# Altium PCB iot_switch.PcbDoc (continued)
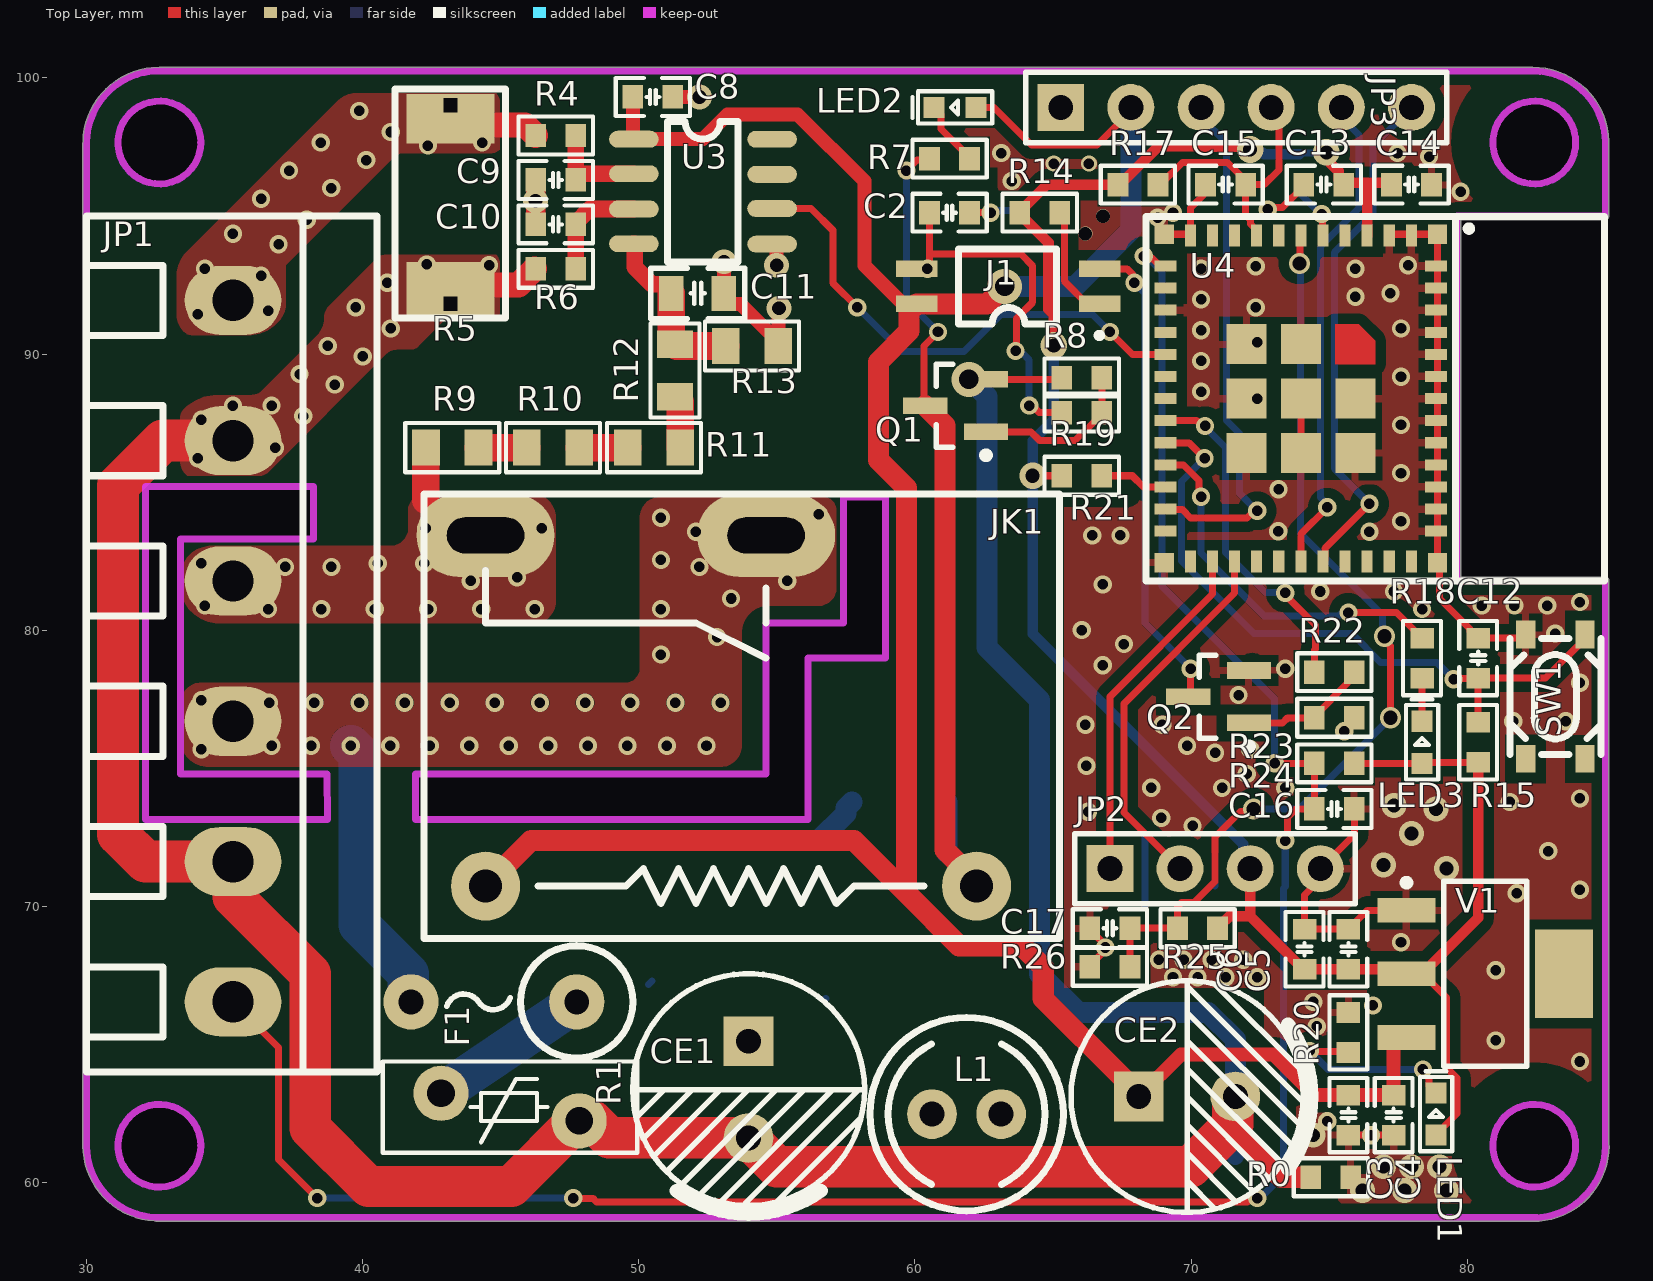
[diagram p0: Top Layer view]
## Nets (pads, with @x,y where several pads share a name; then routed paths per layer and width w, separated by ;. In a path a pad name is that pad's centre, name@x,y a point inside that pad or via, vN(x,y) a via of type N, cw(c..) or ccw(c..) an arc to the next point about the centre after c; other vN are vias at no path point)
5V: C3.2 C4.2 C8.2 CE2.1 D2.1 D4.2 J1.4 JK1.1 JP3.2 L1.2 LED2.1 R3.2 U3.1 V1.3 | length 114.8
  Top Layer w0.254: U3.1@49.784,97.825 U3.1 ; LED2.1 62.865,98.933 64.223,97.575 66.587,97.575 JP3.2@67.818,98.806 ; V1.3@77.33,64.941 77.653,65.264 V1.3
  Top Layer w0.508: U3.1@49.784,97.825 C8.2 ; U3.1 52.319,97.785 53.213,98.679 55.753,98.679 58.166,96.266 58.166,93.218 J1.4@59.563,91.821 ; CE2.1 69.624,64.643 72.985,64.643 74.456,63.172 C3.2 C4.2 V1.3@77.33,64.941
  Top Layer w0.762: JK1.1 46.101,72.39 57.746,72.39 ; 57.785,72.39 59.69,70.485 ; v8(63.246,92.456) 62.611,91.821 J1.4 59.789,91.546 59.789,90.839 58.674,89.724 58.674,86.168 59.69,85.152 59.69,70.485 ; CE2.1 67.581,63.638 67.581,63.737 64.643,66.675 64.643,67.818 63.881,68.58 61.595,68.58 59.69,70.485
  Bottom Layer w0.762: JK1.1 46.101,72.39 56.515,72.39 57.498,73.373 57.498,73.564 D4.2 ; v8(63.246,92.456) 65.786,92.456 67.818,94.488 JP3.2@67.818,98.806
ADC: C17.1 R25.1 R26.2 U4.6 | length 34.2
  Top Layer w0.254: R26.2 C17.1 R25.1 69.506,69.994 69.655,70.143 70.106,70.143 70.866,70.903 70.866,72.517 71.788,73.439 72.169,73.439 v3(72.263,73.533) ; v3(73.914,93.288) 73.943,93.316 73.943,94.263 U4.6 ; v3(76.993,79.787) 76.993,79.649 77.216,79.426 v3(77.216,76.835)
  Bottom Layer w0.254: v3(72.263,73.533) 73.914,73.533 v3(77.216,76.835) ; v3(73.914,93.288) 73.958,93.244 73.958,83.51 74.917,82.55 74.93,82.55 76.931,80.549 76.931,79.848 v3(76.993,79.787)
EN: C15.2 JP3.4 R17.1 U4.8 | length 9.3
  Top Layer w0.254: R17.1@68.924,96.139 68.924,96.189 69.68,96.945 71.309,96.945 C15.2@71.808,96.446 ; C15.2 72.644,96.139 73.176,96.671 73.176,98.264 72.898,98.542 JP3.4 ; C15.2@71.972,96.189 71.972,95.034 72.152,94.854 72.152,94.711 72.371,94.492 U4.8
HLWTX: U3.6 U4.16 | length 18.7
  Top Layer w0.254: U3.6 56.238,95.273 57.023,94.488 57.023,92.583 v1(57.912,91.694) ; v1(67.056,90.805) 67.869,89.992 U4.16
  Bottom Layer w0.254: v1(57.912,91.694) 59.512,90.094 61.773,90.094 63.119,91.44 66.421,91.44 v1(67.056,90.805)
IO9: JP3.3 U4.23 | length 19
  Top Layer w0.254: U4.23 69.093,84.37 69.681,84.37 69.977,84.074 72.026,84.074 72.28,84.328 v1(72.39,84.328)
  Bottom Layer w0.254: JP3.3 70.358,98.569 71.272,97.655 71.272,87.605 71.755,87.122 71.755,84.963 v1(72.39,84.328)
KEY: C12.2 R15.1 SW1.3 U4.20 | length 24.5
  Top Layer w0.254: U4.20 69.926,86.792 v1(70.485,86.233) ; v1(79.502,78.232) 79.521,78.251 C12.2@80.299,78.251 ; R15.1 80.391,78.158 C12.2@80.299,78.251 ; SW1.3 84.259,79.698 82.831,78.269 C12.2 80.373,78.251 C12.2@80.299,78.251
  Bottom Layer w0.254: v1(70.485,86.233) 69.647,85.395 69.647,82.508 72.271,79.883 75.819,79.883 76.86,78.842 78.892,78.842 v1(79.502,78.232)
L_IN: F1.2 JK1.3 JP1.4 | length 11.2
  Bottom Layer w0.254: JK1.3@53.61,83.439 JK1.3
  Bottom Layer w1.5: v1(39.566,75.819) 39.878,75.507 39.878,69.342 41.656,67.564 41.656,66.644 F1.2
  other v1: 34.163,75.692 36.703,75.819 38.135,75.819 40.998,75.819 42.43,75.819 43.861,75.819 45.293,75.819 46.724,75.819 48.156,75.819 49.588,75.819 51.019,75.819 52.451,75.819 36.615,77.381 34.163,77.47 50.8,79.121 52.832,79.756 50.8,80.772 53.34,81.153 55.372,81.788 52.197,82.296 50.8,82.55 52.07,83.566 50.8,84.074 56.515,84.201
L_OUT: JK1.4 JP1.3 R9.2 | length 4.6
  Top Layer w0.254: JP1.3 JP1.3@35.687,81.788 ; 42.164,84.582 42.291,84.709 ; R9.2@42.291,86.609 R9.2 ; JK1.4@43.317,83.439 JK1.4
  Top Layer w1: 42.291,84.709 R9.2@42.291,86.609
  Bottom Layer w0.254: JK1.4@43.45,83.439 JK1.4
  other v1: 36.576,80.772 38.506,80.772 40.437,80.772 42.367,80.772 44.298,80.772 46.228,80.772 34.29,80.899 43.912,81.788 45.593,81.915 37.19,82.296 38.87,82.296 34.163,82.423 40.551,82.423 42.232,82.423 42.291,83.693 46.482,83.693
LED: R18.2 U4.21 | length 13.5
  Top Layer w0.254: U4.21 69.078,85.985 69.717,85.985 70.28,85.422 70.28,84.914 v1(70.358,84.836) ; v1(75.692,80.645) 77.433,80.645 R18.2
  Bottom Layer w0.254: v1(70.358,84.836) 70.358,82.804 72.644,80.518 75.34,80.518 75.389,80.567 75.614,80.567 v1(75.692,80.645)
N_IN: ?.1@43.18,91.821 C2.2 C3.1 C4.1 C5.1 C6.1 C8.1 C9.2 C10.1 C11.2 C12.1 C13.1 C14.1 C15.1 C16.1 C17.2 CE1.2 CE2.2 D3.1 JP1.2 JP1.5 JP2.4 JP3.1 Q1.2 Q2.2 R0.1 R0.2 R1.1 R3.1 R5.2 R6.2 R8.2 R13.2 R20.2 R23.2 R26.1 SW1.4 U3.5 U4.1 U4.2 U4.11 U4.14 U4.36 U4.37 U4.38 U4.39 U4.40 U4.41 U4.42 U4.43 U4.44 U4.45 U4.46 U4.47 U4.48 U4.49 U4.50 U4.51 U4.52 U4.53 V1.1 | length 170.2
  Top Layer w0.254: R6.2@45.967,92.793 46.017,92.793 46.265,93.041 R6.2 ; R1.1 R1.1@48.311,62.238 ; C11.2@53.086,92.202 C11.2 53.081,92.011 53.272,91.821 C11.2@53.399,91.694 ; CE1.2@53.893,61.677 53.921,61.677 CE1.2 CE1.2@53.947,61.623 ; U3.5@54.325,93.985 U3.5 U3.5@54.991,93.985 ; R13.2 R13.2@55.052,90.447 ; v8(61.949,89.088) Q1.2 ; C2.2@61.976,95.173 C2.2 v1(62.738,95.123) ; Q1.2@62.284,88.788 62.284,88.804 Q1.2 ; R8.2 65.249,89.088 Q1.2 ; R26.1 66.331,67.868 66.89,68.427 v1(66.89,68.516) 66.89,68.606 66.331,69.165 C17.2 ; U4.52 U4.11@69.921,94.342 ; U4.14 ccw(c69.131,91.652) U4.14@69.131,91.567 ; U4.11 U4.11@69.977,94.286 ; U4.11@69.977,94.234 U4.11@69.977,94.286 ; C15.1@70.776,96.089 69.977,95.29 U4.11@69.977,94.286 ; 71.499,61.952 71.499,62.101 ; CE2.2@71.499,62.874 cw(c71.845,62.874) CE2.2 ; Q2.2 Q2.2@72.212,78.666 ; v1(72.771,95.241) 72.849,95.319 73.308,95.319 74.078,96.089 C13.1 ; U4.49@73.971,86.417 U4.49@73.971,88.392 ; v1(75.542,76.347) 75.542,76.418 75.909,76.785 R23.2 ; C3.1 v1(76.511,61.722) C4.1 ; C16.1 75.909,72.607 JP2.4 74.676,70.983 74.105,70.411 C6.1 C5.1 75.742,69.178 75.99,69.426 75.99,69.476 76.378,69.864 V1.1 ; U4.2 77.221,94.342 U4.53 U4.50 78.988,82.376 78.988,81.159 80.093,80.054 80.093,79.967 80.341,79.719 C12.1 81.982,79.719 SW1.4
  Top Layer w0.508: C8.1 v2(52.197,99.314) ; C11.2@53.086,91.821 53.272,91.821 53.678,91.821 55.052,90.447 v2@55.052,91.628 ; C11.2@53.086,92.202 v2(53.086,93.345) ; v2(54.991,93.218) U3.5@54.991,93.985
  Top Layer w0.7: C10.1 C9.2
  Top Layer w0.762: 71.499,61.952 73.252,60.198 R0.1@74.295,60.198
  Top Layer w0.9: R5.2 45.641,92.504 R6.2@46.228,93.091
  Top Layer w1.5: JP1.5@35.306,70.612 35.306,70.358 38.1,67.564 38.1,61.976 40.213,59.863 45.385,59.863 R1.1@47.76,62.238 ; R1.1@48.311,62.238 48.926,61.623 CE1.2@53.947,61.623 ; CE1.2@53.893,61.677 CE1.2@53.947,61.623 ; CE2.2@71.499,62.874 71.499,62.101 69.977,60.579 54.991,60.579 CE1.2@53.947,61.623
  Top Layer w1.524: JP1.5 32.131,71.628 31.143,72.616 31.143,85.245 32.766,86.868 JP1.2
  Bottom Layer w0.254: CE1.2 CE1.2@54.287,61.623 ; v8(61.949,89.088) v8@61.984,89.088 ; v1(62.738,95.123) 62.814,95.199 63.449,95.199 63.5,95.25 ; 68.326,69.977 68.326,72.644 ; 70.866,70.739 70.866,71.882 ; R3.1 R3.1@71.595,60.965 ; CE2.2@71.595,63.114 CE2.2
  Bottom Layer w0.635: R3.1@71.595,60.965 CE2.2@71.595,63.114
  Bottom Layer w0.762: v8@61.984,89.088 62.611,88.461 62.611,79.375 64.516,77.47 64.516,67.564 65.913,66.167 70.612,66.167 71.6,65.179 CE2.2
  other v1: 74.93,62.23 84.074,64.389 81.026,65.151 74.549,65.659 76.581,66.421 74.422,66.548 69.342,67.437 70.231,67.437 71.247,67.437 72.39,67.437 81.026,67.691 68.834,68.072 69.723,68.072 70.739,68.072 71.882,68.072 77.597,68.707 81.788,70.485 84.074,70.612 82.931,72.009 70.05,72.92 68.912,73.208 66.268,73.431 81.534,73.787 84.074,73.914 68.553,74.297 71.12,74.295 73.406,74.295 72.009,74.803 66.206,75.1 70.866,75.565 72.136,75.692 69.85,75.819 66.17,76.584 68.961,76.581 81.661,76.708 83.566,76.708 71.714,77.659 84.074,78.105 73.406,78.613 66.802,78.74 67.564,79.502 83.185,79.883 66.04,80.01 78.359,80.772 80.518,80.899 81.703,80.899 82.889,80.899 84.074,81.026 74.676,81.407 77.343,81.407 66.802,81.661 66.421,83.439 67.437,83.439 76.454,83.566 73.149,83.589 77.597,83.947 73.164,85.113 77.597,85.693 34.036,86.233 36.83,86.614 77.597,87.439 34.163,87.63 37.846,87.757 35.306,88.138 36.703,88.138 72.39,88.392 70.358,88.646 38.989,88.9 77.597,89.186 37.719,89.281 70.358,89.757 40.005,89.916 38.735,90.297 72.39,90.424 70.358,90.868 41.021,90.932 77.597,90.932 39.751,91.694 72.339,91.694 70.358,91.98 75.946,92.075 77.216,92.202 40.894,92.583 70.358,93.091 75.946,93.091 72.339,93.181 44.577,93.218 77.851,93.218 42.321,93.248 68.783,94.945 69.342,95.123 79.756,95.885 63.5,96.266 78.613,97.155 63.119,97.282 77.47,97.282
  other v2: 76.2,59.713 77.724,59.713 79.248,59.713 76.962,60.579 77.978,60.579 78.994,60.579 74.422,61.722 79.248,71.374 76.962,71.501 77.978,72.644 78.867,73.533 77.343,73.66 55.071,91.664 46.259,95.556
  other v6: 66.167,94.361 66.802,94.996
  other v7: 65.024,96.901 66.294,96.901
N_OUT: ?.1@43.181,99.018 JP1.1 R4.2 R5.1 | length 3.6
  Top Layer w0.254: R5.1 R5.1@43.336,98.298
  Top Layer w0.9: R5.1@43.336,98.298 45.884,98.298 R4.2
  Bottom Layer w0.254: JP1.1 JP1.1@35.56,91.948
  other v1: 34.036,91.44 36.576,91.567 36.322,92.837 34.29,93.091 36.957,93.98 35.306,94.361 37.973,94.869 36.322,95.631 38.862,96.012 37.338,96.647 40.132,97.028 42.364,97.554 38.481,97.663 44.323,97.663 41.021,98.044 39.878,98.806
NetC1_1: C1.1 D3.2 L1.1 R2.1 U1.1 U1.2
NetC1_2: C1.2 D2.2 U1.3 | length 0.2
  Bottom Layer w0.254: C1.2@56.708,60.261 C1.2
NetC2_1: C2.1 J1.3 R21.1 | length 13.3
  Top Layer w0.254: J1.3 60.353,93.091 60.526,93.264 60.526,93.622 ; C2.1 60.526,93.622 ; v1(63.641,90.116) 63.673,90.148 63.673,91.291 64.262,91.881 64.262,93.196 63.836,93.622 60.526,93.622 ; v1(64.135,88.138) 64.245,88.138 64.499,87.884 R21.1
  Bottom Layer w0.254: v1@60.452,92.981 v1(60.452,93.091) ; v1(63.641,90.116) 63.718,90.038 63.886,90.038 64.135,89.789 v1@64.135,88.155
NetC9_1: C9.1 R4.1 U3.2 | length 3.8
  Top Layer w0.254: C9.1 C9.1@47.942,96.535
  Top Layer w0.6: C9.1 R4.1 ; C9.1@47.942,96.535 U3.2
NetC10_2: C10.2 R6.1 U3.3 | length 4
  Top Layer w0.254: C10.2 C10.2@47.715,94.75
  Top Layer w0.6: R6.1 C10.2 ; C10.2@47.715,94.75 48.22,95.255 U3.3
NetC11_1: C11.1 R12.1 R13.1 U3.4 | length 6.9
  Top Layer w0.254: U3.4@49.784,93.958 U3.4 ; C11.1@50.863,92.71 51.181,92.392 C11.1
  Top Layer w0.6: U3.4@49.784,93.993 49.858,93.993 49.858,93.144 50.465,92.537 51.036,92.537 51.181,92.392 C11.1
  Top Layer w1: R12.1@51.181,90.485 C11.1 ; R12.1@51.369,90.297 R13.1
NetCE1_1: CE1.1 D1.2 U1.4 | length 0.2
  Bottom Layer w0.254: CE1.1 CE1.1@54.102,65.25 ; U1.4@56.753,66.675 U1.4@56.78,66.675
NetD1_1: D1.1 F1.1 R1.2 | length 6.5
  Bottom Layer w0.254: F1.1 F1.1@48.181,66.548 ; D1.1@50.355,67.183 D1.1
  Bottom Layer w1.5: R1.2 F1.1
NetD4_1: D4.1 JK1.2 Q1.3 R7.2 | length 31.9
  Top Layer w0.254: v1(59.69,96.647) 60.071,97.028 60.475,97.028 R7.2 ; Q1.3 60.325,88.181 60.325,90.297 v1(60.833,90.805)
  Top Layer w0.762: Q1.3 61.087,87.419 61.087,72.054 62.23,70.911 JK1.2
  Bottom Layer w0.254: v1(59.69,96.647) 59.69,91.948 v1(60.833,90.805) ; JK1.2 JK1.2@62.23,70.887
  Bottom Layer w0.762: D4.1 61.151,71.966 JK1.2@62.23,70.887
NetJ1_1: J1.1 R14.2 | length 4.2
  Top Layer w0.254: R14.2 65.405,94.959 65.405,92.648 66.232,91.821 J1.1
NetJ1_2: J1.2 Q2.3 | length 17.5
  Top Layer w0.254: J1.2 67.68,93.091 67.867,92.903 67.867,92.661 v1(67.945,92.583) ; Q2.3 69.977,77.681 v1(69.977,78.613)
  Bottom Layer w0.254: v1(67.945,92.583) 68.326,92.202 68.326,80.264 v1(69.977,78.613)
NetLED1_2: LED1.2 R20.1 | length 7
  Top Layer w0.254: v1(74.295,64.77) 74.321,64.744 75.666,64.744 R20.1 ; v1(78.391,64.103) 78.391,63.993 78.613,63.771 78.613,63.5 LED1.2 LED1.2@78.994,63.373
  Bottom Layer w0.254: v1(74.295,64.77) 74.962,64.103 v1(78.391,64.103)
NetLED2_2: LED2.2 R7.1 | length 2.4
  Top Layer w0.254: LED2.2 60.946,98.679 60.946,98.159 61.976,97.129 R7.1
NetLED3_2: LED3.2 R18.1 | length 1.6
  Top Layer w0.254: LED3.2 R18.1
NetQ1_1: Q1.1 R8.1 R21.2 | length 6
  Top Layer w0.254: Q1.1 64.196,87.188 64.516,86.868 65.799,86.868 66.765,87.834 R21.2 R8.1
NetQ2_1: Q2.1 R22.2 R23.1 | length 4.6
  Top Layer w0.254: Q2.1 73.308,76.647 73.496,76.835 R23.1 74.459,76.885 75.661,78.087 75.661,78.188 R22.2@75.909,78.436
NetR2_2: R2.2 U1.6
NetR9_1: R9.1 R10.2 | length 1.7
  Top Layer w1: R9.1 R10.2
NetR10_1: R10.1 R11.2 | length 1.7
  Top Layer w1: R10.1 R11.2
NetR11_1: R11.1 R12.2 | length 1.9
  Top Layer w0.254: R12.2 R12.2@51.496,88.27
  Top Layer w1: R11.1 R12.2@51.496,88.27
NetR16_2: R16.2 U4.5 | length 1.9
  Top Layer w0.254: v1(74.727,95.071) 74.749,95.049 74.749,94.314 U4.5
  Bottom Layer w0.254: R16.2 73.964,95.795 74.688,95.071 v1(74.727,95.071)
NetR19_2: R19.2 U4.22 | length 2.4
  Top Layer w0.254: R19.2@66.802,85.598 67.866,85.598 68.272,85.192 U4.22
OLED_SCL: JP2.2 U4.27 | length 13.6
  Top Layer w0.254: JP2.2 67.564,73.406 67.564,77.343 71.571,81.35 U4.27
OLED_SDA: JP2.1 U4.26 | length 12.7
  Top Layer w0.254: JP2.1 67.056,77.597 70.771,81.312 U4.26
RELAY: R22.1 U4.19 | length 12.5
  Top Layer w0.254: U4.19 70.201,87.592 70.393,87.4 v1(70.503,87.4) ; v1(73.406,81.356) 73.406,81.28 74.498,80.188 74.498,79.333 74.459,79.293 R22.1
  Bottom Layer w0.254: v1(70.503,87.4) 70.503,87.358 71.247,86.614 71.247,82.813 72.695,81.365 73.397,81.365 v1(73.406,81.356)
RXD1: JP3.5 U4.30 | length 17.8
  Top Layer w0.254: U4.30 73.971,83.496 v1(74.93,84.455)
  Bottom Layer w0.254: v1(74.93,84.455) 74.93,84.553 74.676,84.807 74.676,93.899 76.073,95.296 76.073,97.934 75.438,98.569 JP3.5
S1: C16.2 JP1.6 R24.2 U4.12 | length 82.3
  Top Layer w0.254: JP1.6 36.957,64.897 36.957,60.84 v5(38.354,59.443) ; v5(47.625,59.443) 47.632,59.436 48.336,59.436 48.463,59.309 72.038,59.309 72.094,59.365 72.312,59.365 v1(72.39,59.443) ; v1(68.286,93.553) 68.363,93.475 68.588,93.475 68.871,93.192 U4.12 ; v1(73.025,75.184) R24.2 C16.2 73.787,73.533 73.484,73.23 73.484,72.468 v1(73.406,72.39)
  Bottom Layer w0.254: v5(38.354,59.443) v5(47.625,59.443) ; v1(68.286,93.553) 68.372,93.553 68.936,92.989 68.936,81.602 73.025,77.512 v1(73.025,75.184) ; v1(72.39,59.443) 72.5,59.443 73.337,60.28 73.337,70.654 73.406,70.723 v1(73.406,72.39)
TXD1: JP3.6 U4.31 | length 18.8
  Top Layer w0.254: U4.31 74.844,82.565 74.844,82.972 v1(76.454,84.582)
  Bottom Layer w0.254: v1(76.454,84.582) 75.184,85.852 75.184,93.688 76.581,95.085 76.581,97.536 77.851,98.806 JP3.6@77.978,98.806
VDD3V3: C5.2 C6.2 C13.2 C14.2 JP2.3 LED1.1 LED3.1 R14.1 R15.2 R16.1 R17.2 R19.1 R24.1 R25.2 U4.3 V1.2 V1.4 | length 75.8
  Top Layer w0.254: v4(64.262,85.598) R19.1 ; R17.2 R17.2@67.347,96.189 ; R25.2 70.956,69.265 71.204,69.513 R25.2@71.254,69.513 ; C6.2@74.055,67.728 C6.2 ; C13.2@75.502,96.215 75.528,96.189 C13.2 ; R24.1 LED3.1 78.396,75.221 R15.2 ; 76.327,96.215 76.371,96.17 ; V1.2@77.631,67.728 V1.2 78.359,67.564 78.395,67.564 79.248,66.711 79.248,64.157 79.397,64.008 79.406,64.008 79.629,63.785 79.629,62.506 79.121,61.998 79.121,61.976 LED1.1@78.994,61.849
  Top Layer w0.381: R14.1@63.754,95.123 63.754,95.11 64.834,94.031 64.834,91.624 65.024,91.433 v4(65.024,90.316) ; R14.1@63.881,95.25 64.77,96.139 R17.2 R17.2@67.474,96.139 ; R17.2@67.474,96.189 68.821,97.536 70.336,97.536 70.355,97.517 72.028,97.517 v4(72.136,97.409) ; R25.2@71.254,69.513 71.388,69.647 72.136,69.647 ; JP2.3 72.136,69.647 ; C6.2@74.055,67.728 72.136,69.647 ; C6.2 C5.2 V1.2@77.631,67.728 ; v4(74.893,97.307) 75.005,97.195 75.005,96.953 75.343,96.615 75.343,96.324 C13.2 ; C13.2@75.539,96.215 76.327,96.215 77.05,96.215 C14.2@77.126,96.139 ; U4.3 76.371,96.17 ; V1.2@78.359,67.564 80.391,69.596 R15.2
  Bottom Layer w0.254: R16.1 73.945,97.276 74.862,97.276 v4(74.893,97.307)
  Bottom Layer w0.381: v4(65.024,90.316) 65.024,87.63 64.262,86.868 v4(64.262,85.598) 64.262,79.883 71.884,72.261 71.884,71.626 JP2.3 ; v4(72.136,97.409) 72.248,97.297 72.592,97.297 72.644,97.245 R16.1
pads on no net: SW1.1 SW1.2 U3.7 U3.8 U4.4 U4.7 U4.9 U4.10 U4.13 U4.15 U4.17 U4.18 U4.24 U4.25 U4.28 U4.29 U4.32 U4.33 U4.34 U4.35
copper on no net:
  other v1: 38.249,77.381 39.884,77.381 41.518,77.381 43.152,77.381 44.787,77.381 46.421,77.381 48.056,77.381 49.69,77.381 51.325,77.381 52.959,77.381

## Polygon pours and split planes (outlines as drawn)
NetCE1_1 on Bottom Layer "NETCE1_1_L02_P063" (solid, pour order 63): 52.959,67.31 cw(c53.594,67.31) 53.594,67.945 57.495,67.945 cw(c57.495,67.603) 57.837,67.603 57.837,66.092 cw(c57.531,66.092) 57.531,65.786 55.372,65.786 ccw(c55.372,65.405) 54.991,65.405 54.991,64.389 cw(c54.737,64.389) 54.737,64.135 53.213,64.135 cw(c53.213,64.389) 52.959,64.389
NetD1_1 on Bottom Layer "NETD1_1_L02_P059" (solid, pour order 59): 51.181,67.945 48.652,67.945 ccw(c48.652,65.737) 47.091,67.298 ccw(c47.335,67.054) 46.99,67.054 46.99,66.046 ccw(c47.344,66.046) 47.094,65.796 ccw(c47.731,66.433) 47.731,65.532 47.752,65.532 ccw(c47.752,66.548) 48.768,66.548 cw(c48.895,66.548) 48.895,66.675 51.181,66.675
N_IN on Bottom Layer "N_IN_L02_P043" (solid, remove dead copper, pour order 43): 58.293,100.203 58.293,96.774 62.992,96.774 62.992,90.805 67.437,90.805 67.437,84.455 65.405,84.455 65.405,67.056 72.644,67.056 72.644,58.674 82.931,58.674 ccw(c82.931,60.706) 84.963,60.706 84.963,81.788 79.629,81.788 79.629,94.996 84.963,94.996 84.963,98.171 84.836,98.171 ccw(c82.804,98.171) 82.804,100.203 82.677,100.203
L_IN on Bottom Layer "L_IN_L02_P055" (solid, pour order 55): 52.959,75.057 ccw(c52.959,75.819) 53.721,75.819 53.721,79.883 cw(c54.737,79.883) 54.737,80.899 56.515,80.899 ccw(c56.515,81.534) 57.15,81.534 57.15,84.328 ccw(c56.642,84.328) 56.642,84.836 50.8,84.836 ccw(c50.8,84.074) 50.038,84.074 50.038,78.613 cw(c49.53,78.613) 49.53,78.105 34.163,78.105 ccw(c34.163,77.343) 33.401,77.343 33.401,76.073 ccw(c34.417,76.073) 34.417,75.057
N_IN on Bottom Layer "N_IN_L02_P057" (solid, pour order 57): 36.269,85.598 ccw(c36.269,86.032) 36.576,85.725 40.841,89.99 cw(c41.275,89.557) 41.275,90.17 41.73,90.17 ccw(c41.73,90.604) 42.037,90.297 42.963,91.223 cw(c43.18,91.006) 43.18,91.313 44.651,91.313 ccw(c44.651,91.747) 44.958,91.44 44.958,93.292 ccw(c44.524,93.292) 44.831,93.599 40.82,93.599 ccw(c40.82,93.165) 40.513,93.472 38.788,91.747 ccw(c39.221,91.313) 38.608,91.313 38.608,91.291 cw(c37.741,91.291) 38.354,90.678 36.375,88.699 cw(c35.941,89.132) 35.941,88.519 34.754,88.519 ccw(c34.754,86.785) 33.528,88.011 ccw(c33.835,87.704) 33.401,87.704 33.401,86.106 ccw(c34.014,86.106) 33.581,85.672 33.655,85.598
N_OUT on Bottom Layer "N_OUT_L02_P050" (solid, pour order 50): 35.814,90.678 ccw(c35.814,92.211) 36.898,91.127 36.957,91.186 ccw(c36.344,91.799) 37.211,91.799 37.211,93.218 41.095,97.102 cw(c41.529,96.669) 41.529,97.282 44.651,97.282 ccw(c44.651,97.716) 44.958,97.409 44.958,99.134 ccw(c44.524,99.134) 44.831,99.441 39.729,99.441 ccw(c39.729,98.574) 39.116,99.187 33.633,93.704 ccw(c34.5,92.837) 33.274,92.837 33.274,91.418 ccw(c34.141,91.418) 33.528,90.805 ccw(c33.835,91.112) 33.835,90.678 34.417,90.678
L_OUT on Bottom Layer "L_OUT_L02_P048" (solid, pour order 48): 46.228,80.264 ccw(c46.228,81.026) 46.99,81.026 46.99,84.074 ccw(c46.101,84.074) 46.101,84.963 42.291,84.963 ccw(c42.291,84.328) 41.656,84.328 41.656,83.693 cw(c41.021,83.693) 41.021,83.058 34.544,83.058 ccw(c34.544,81.915) 33.401,81.915 33.401,81.661 ccw(c34.798,81.661) 34.798,80.264
N_IN on Bottom Layer "N_IN_L02_P045" (solid, pour order 45): 45.085,100.33 44.958,100.203 44.958,93.853 44.577,93.472 44.577,91.059 51.943,91.059 51.943,88.519 56.642,88.519 56.642,100.33
5V on Bottom Layer "5V_L02_P009" (solid, pour order 9): 68.707,60.452 cw(c68.707,60.833) 68.326,60.833 68.326,62.23 cw(c68.58,62.23) 68.58,62.484 69.088,62.484 69.088,61.683 ccw(c69.366,61.683) 69.366,61.406 70.496,61.406 cw(c70.496,61.349) 70.553,61.349 70.553,60.52 cw(c70.485,60.52) 70.485,60.452
5V on Bottom Layer "5V_L02_P007" (solid, pour order 7): 65.659,59.436 ccw(c65.659,59.563) 65.786,59.563 65.786,61.341 cw(c66.548,61.341) 66.548,62.103 68.834,62.103 ccw(c68.834,62.357) 69.088,62.357 69.088,63.881 ccw(c68.834,63.881) 68.834,64.135 67.31,64.135 ccw(c67.31,63.754) 66.929,63.754 cw(c66.548,63.754) 66.548,63.373 62.738,63.373 ccw(c62.738,62.865) 62.23,62.865 62.23,61.849 ccw(c62.611,61.849) 62.611,61.468 64.135,61.468 cw(c64.135,61.341) 64.262,61.341 64.262,59.436
NetR2_2 on Bottom Layer "NETR2_2_L02_P005" (solid, pour order 5): 59.436,68.453 ccw(c59.436,67.818) 58.801,67.818 58.801,66.167 ccw(c58.928,66.167) 58.928,66.04 59.47,66.04 ccw(c59.47,66.082) 59.512,66.082 59.512,67.386 cw(c59.69,67.386) 59.69,67.564 60.833,67.564 ccw(c60.833,67.691) 60.96,67.691 60.96,68.326 ccw(c60.833,68.326) 60.833,68.453
NetC1_1 on Bottom Layer "NETC1_1_L02_P000" (solid, pour order 0): 59.817,63.373 ccw(c59.817,63.5) 59.944,63.5 59.944,66.802 cw(c60.198,66.802) 60.198,67.056 62.738,67.056 cw(c62.738,66.675) 63.119,66.675 63.119,65.532 cw(c62.738,65.532) 62.738,65.151 ccw(c62.738,63.935) 61.522,63.935 61.522,62.496 cw(c60.621,62.496) 60.621,61.595 59.944,61.595 59.944,59.817 cw(c59.817,59.817) 59.817,59.69 58.039,59.69 cw(c58.039,59.817) 57.912,59.817 57.912,63.119 cw(c58.166,63.119) 58.166,63.373
NetC1_2 on Bottom Layer "NETC1_2_L02_P003" (solid, pour order 3): 56.388,63.373 ccw(c56.388,63.246) 56.261,63.246 56.261,59.309 ccw(c56.642,59.309) 56.642,58.928 61.849,58.928 ccw(c61.849,59.436) 62.357,59.436 62.357,60.452 ccw(c61.976,60.452) 61.976,60.833 61.087,60.833 ccw(c61.087,60.452) 60.706,60.452 60.706,59.69 cw(c60.452,59.69) 60.452,59.436 57.785,59.436 cw(c57.785,59.944) 57.277,59.944 57.277,62.865 ccw(c56.769,62.865) 56.769,63.373
NetC1_1 on Bottom Layer "NETC1_1_L02_P002" (solid, pour order 2): 59.944,61.468 cw(c60.071,61.468) 60.071,61.595 ccw(c60.071,61.722) 60.198,61.722 60.198,61.849 ccw(c59.944,61.849) 59.944,62.103 59.563,62.103 ccw(c59.563,61.976) 59.436,61.976 59.436,61.468
N_IN on Top Layer "N_IN_L01_P042" (solid, remove dead copper, pour order 42): 58.293,100.203 58.293,96.774 62.992,96.774 62.992,90.805 67.437,90.805 67.437,84.455 65.405,84.455 65.405,67.056 72.644,67.056 72.644,58.674 82.931,58.674 ccw(c82.931,60.706) 84.963,60.706 84.963,81.788 79.629,81.788 79.629,94.996 84.963,94.996 84.963,98.171 84.836,98.171 ccw(c82.804,98.171) 82.804,100.203 82.677,100.203
L_IN on Top Layer "L_IN_L01_P049" (solid, pour order 49): 52.959,75.057 ccw(c52.959,75.819) 53.721,75.819 53.721,79.883 cw(c54.737,79.883) 54.737,80.899 56.515,80.899 ccw(c56.515,81.534) 57.15,81.534 57.15,84.328 ccw(c56.642,84.328) 56.642,84.836 50.8,84.836 ccw(c50.8,84.074) 50.038,84.074 50.038,78.613 cw(c49.53,78.613) 49.53,78.105 34.163,78.105 ccw(c34.163,77.343) 33.401,77.343 33.401,76.073 ccw(c34.417,76.073) 34.417,75.057
L_OUT on Top Layer "L_OUT_L01_P056" (solid, pour order 56): 46.228,80.264 ccw(c46.228,81.026) 46.99,81.026 46.99,84.074 ccw(c46.101,84.074) 46.101,84.963 42.291,84.963 ccw(c42.291,84.328) 41.656,84.328 41.656,83.693 cw(c41.021,83.693) 41.021,83.058 34.544,83.058 ccw(c34.544,81.915) 33.401,81.915 33.401,81.661 ccw(c34.798,81.661) 34.798,80.264
N_IN on Top Layer "N_IN_L01_P038" (solid, pour order 38): 36.269,85.598 ccw(c36.269,86.032) 36.576,85.725 40.841,89.99 cw(c41.275,89.557) 41.275,90.17 41.73,90.17 ccw(c41.73,90.604) 42.037,90.297 42.963,91.223 cw(c43.18,91.006) 43.18,91.313 44.651,91.313 ccw(c44.651,91.747) 44.958,91.44 44.958,93.292 ccw(c44.524,93.292) 44.831,93.599 40.82,93.599 ccw(c40.82,93.165) 40.513,93.472 38.788,91.747 ccw(c39.221,91.313) 38.608,91.313 38.608,91.291 cw(c37.741,91.291) 38.354,90.678 36.375,88.699 cw(c35.941,89.132) 35.941,88.519 34.754,88.519 ccw(c34.754,86.785) 33.528,88.011 ccw(c33.835,87.704) 33.401,87.704 33.401,86.106 ccw(c34.014,86.106) 33.581,85.672 33.655,85.598
N_OUT on Top Layer "N_OUT_L01_P058" (solid, pour order 58): 35.814,90.678 ccw(c35.814,92.211) 36.898,91.127 36.957,91.186 ccw(c36.344,91.799) 37.211,91.799 37.211,93.218 41.095,97.102 cw(c41.529,96.669) 41.529,97.282 44.651,97.282 ccw(c44.651,97.716) 44.958,97.409 44.958,99.134 ccw(c44.524,99.134) 44.831,99.441 39.729,99.441 ccw(c39.729,98.574) 39.116,99.187 33.633,93.704 ccw(c34.5,92.837) 33.274,92.837 33.274,91.418 ccw(c34.141,91.418) 33.528,90.805 ccw(c33.835,91.112) 33.835,90.678 34.417,90.678

## Keep-outs
Keep-Out Layer:
  circle w0.254: c82.423,97.663 r1.5
  circle w0.254: c82.423,61.341 r1.5
  circle w0.254: c32.639,61.341 r1.5
  circle w0.254: c32.639,97.663 r1.5
  lines w0.254: 30,61.34 ccw(c32.62,61.357) 32.636,58.737 ; 30,61.341 30,97.655 ; 30.004,97.655 cw(c32.624,97.638) 32.641,100.258 ; 32.64,58.732 82.529,58.732 ; 32.641,100.254 82.373,100.254 ; 82.362,100.256 cw(c82.379,97.636) 84.998,97.653 ; 82.367,58.727 ccw(c82.384,61.346) 85.004,61.33 ; 84.963,94.996 79.629,94.996 79.629,81.788 85,81.788 85,61.297 ; 85,95.014 85,97.684 ; 32.131,73.152 38.735,73.152 38.703,74.803 33.401,74.803 33.401,83.312 38.227,83.312 38.227,85.217 32.131,85.217 32.131,84.709 32.131,73.152 ; 41.91,73.152 41.91,74.803 54.61,74.803 54.61,80.264 57.404,80.264 57.404,84.836 58.928,84.836 58.928,78.994 56.134,78.994 56.134,73.152 41.91,73.152

## Silkscreen, mask and mechanical layers (free items; w line width, h text height)
Bottom Overlay:
  text "GND" at 65.891,97.536 h2.03 r90
  text "5V" at 68.431,97.536 h2.03 r90
  text "BOOT" at 71.098,97.536 h2.03 r90
  text "EN" at 72.898,97.536 h2.03 r90
  text "RXD" at 76.2,97.536 h2.03 r90
  text "TXD" at 78.74,97.536 h2.03 r90
  text "N-out" at 30.253,89.916 h2.54 r270
  text "N-in" at 30.226,84.963 h2.54 r270
  text "L-out" at 30.253,78.867 h2.54 r270
  text "Smart switch V1.0" at 84.179,78.867 h2.03 r90
  text "GND" at 75.416,76.708 h2.03 r90
  text "SDA" at 67.669,76.519 h2.03 r90
  text "SCL" at 70.257,76.25 h2.03 r90
  text "3V3" at 72.829,75.937 h2.03 r90
  text "L-in" at 30.226,74.041 h2.54 r270
  text "kaiYin" at 82.255,73.979 h3.81 r90
  text "S1" at 30.255,70.358 h2.54 r270
  text "S2" at 30.255,65.278 h2.54 r270
Bottom Solder:
  rectangle: 50.292,76.581 53.34,84.582
  rectangle: 50.292,82.042 56.515,84.582
  rectangle: 35.306,75.311 53.34,77.851
  lines w0.254: 34.798,92.964 34.798,93.091 ; 42.156,81.653 42.418,81.915 ; 43.307,83.312 44.196,83.312 ; 53.721,83.566 54.483,83.566
  lines w2: 36.322,87.249 36.449,87.249 41.656,92.456 43.901,92.456 ; 40.449,98.366 43.878,98.366
  lines w2.5: 34.671,92.329 34.671,92.71 40.132,98.171
  lines w2.6: 35.306,81.788 35.441,81.653 42.156,81.653
  lines w3: 42.418,81.915 43.053,81.915 44.45,83.312